# KiCad board EOutside.kicad_pcb (continued)
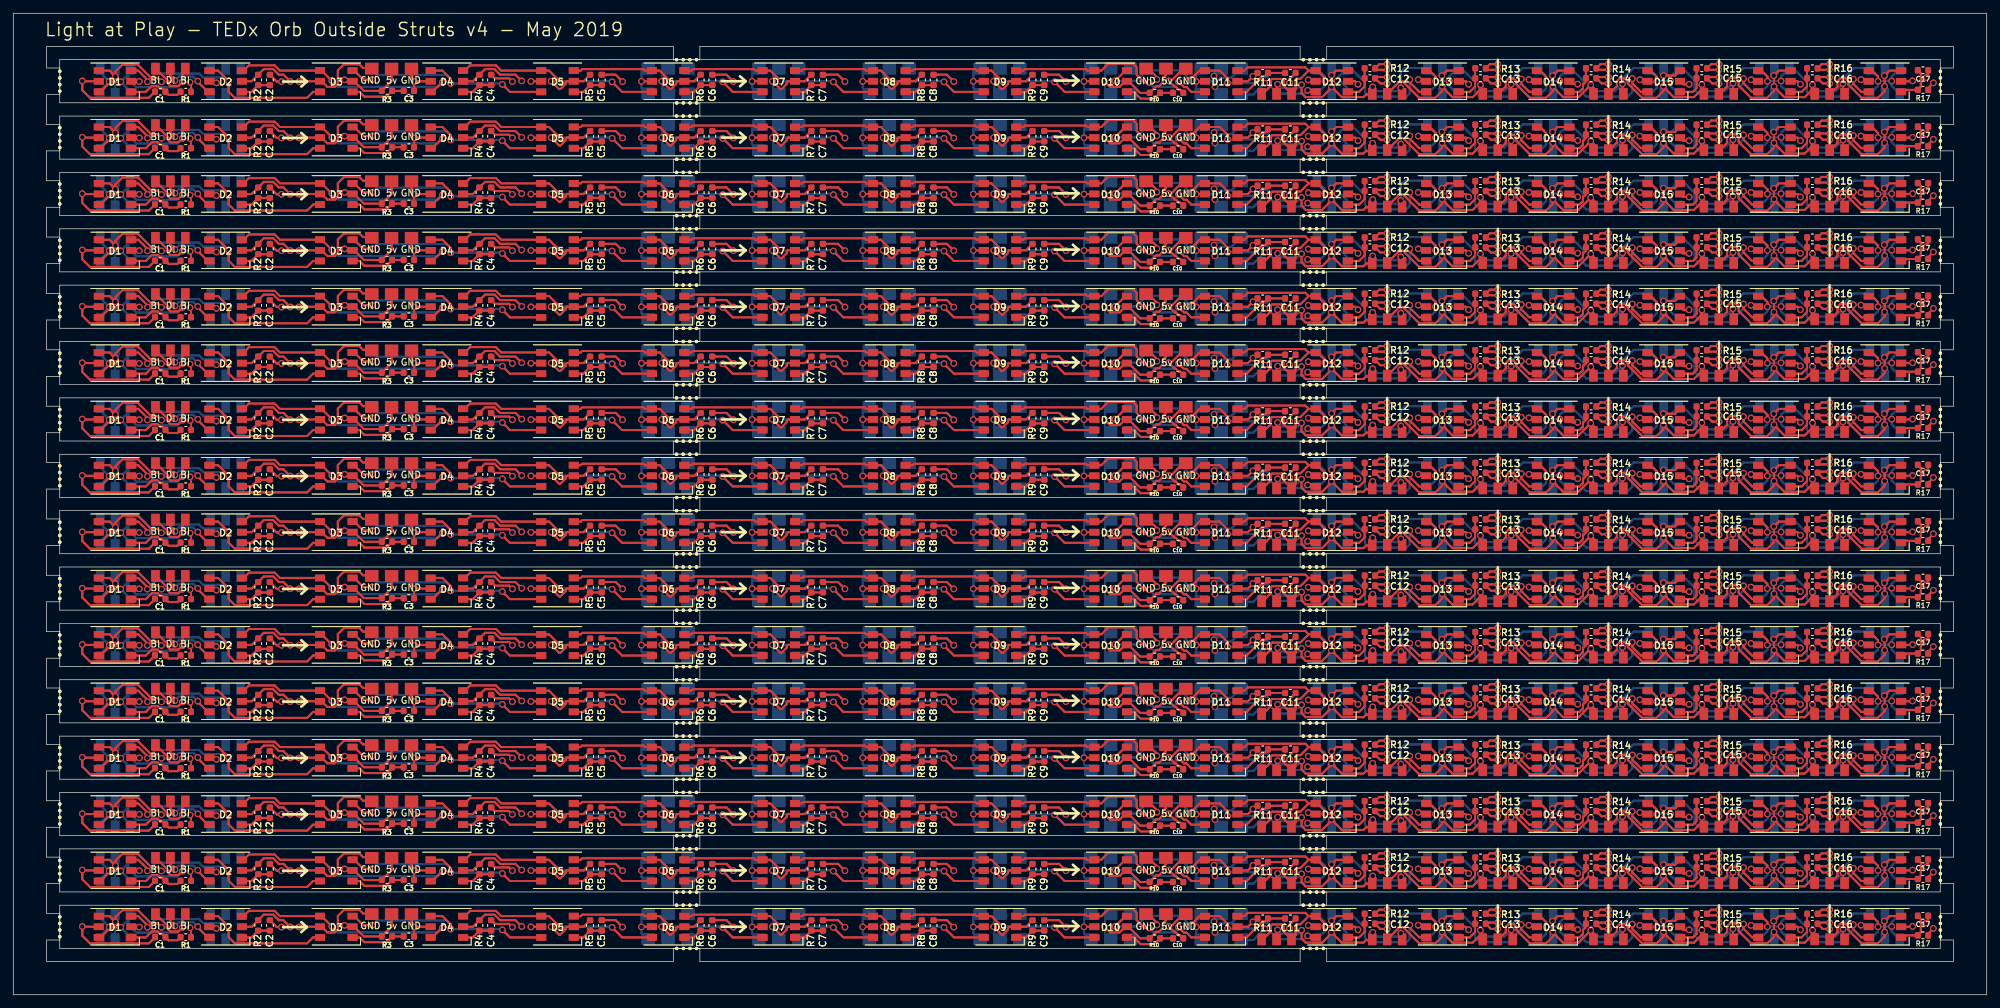
[diagram p0: board, top side]
## Placement (name value [footprint] x y rotation side) (continued)
R6#12  330  [R_0603_1608Metric]  103.57 103.95 270 top
R6#13  330  [R_0603_1608Metric]  103.57 103.95 270 top
R6#14  330  [R_0603_1608Metric]  103.57 78.45 270 top
R6#15  330  [R_0603_1608Metric]  103.57 95.45 270 top
R6#16  330  [R_0603_1608Metric]  103.57 95.45 270 top
R6#17  330  [R_0603_1608Metric]  103.57 52.95 270 top
R6#18  330  [R_0603_1608Metric]  103.57 69.95 270 top
R6#19  330  [R_0603_1608Metric]  103.57 44.45 270 top
R6#20  330  [R_0603_1608Metric]  103.57 61.45 270 top
R6#21  330  [R_0603_1608Metric]  103.57 69.95 270 top
R6#22  330  [R_0603_1608Metric]  103.57 52.95 270 top
R6#23  330  [R_0603_1608Metric]  103.57 44.45 270 top
R6#24  330  [R_0603_1608Metric]  103.57 61.45 270 top
R6#25  330  [R_0603_1608Metric]  103.57 10.45 270 top
R6#26  330  [R_0603_1608Metric]  103.57 18.95 270 top
R6#27  330  [R_0603_1608Metric]  103.57 18.95 270 top
R6#28  330  [R_0603_1608Metric]  103.57 10.45 270 top
R6#29  330  [R_0603_1608Metric]  103.57 27.45 270 top
R6#30  330  [R_0603_1608Metric]  103.57 27.45 270 top
R6#31  330  [R_0603_1608Metric]  103.57 35.95 270 top
R6#32  330  [R_0603_1608Metric]  103.57 35.95 270 top
R7  330  [R_0603_1608Metric]  120.23 137.95 270 top
R7#2  330  [R_0603_1608Metric]  120.23 129.45 270 top
R7#3  330  [R_0603_1608Metric]  120.23 120.95 270 top
R7#4  330  [R_0603_1608Metric]  120.23 112.45 270 top
R7#5  330  [R_0603_1608Metric]  120.23 120.95 270 top
R7#6  330  [R_0603_1608Metric]  120.23 112.45 270 top
R7#7  330  [R_0603_1608Metric]  120.23 137.95 270 top
R7#8  330  [R_0603_1608Metric]  120.23 129.45 270 top
R7#9  330  [R_0603_1608Metric]  120.23 86.95 270 top
R7#10  330  [R_0603_1608Metric]  120.23 78.45 270 top
R7#11  330  [R_0603_1608Metric]  120.23 86.95 270 top
R7#12  330  [R_0603_1608Metric]  120.23 103.95 270 top
R7#13  330  [R_0603_1608Metric]  120.23 78.45 270 top
R7#14  330  [R_0603_1608Metric]  120.23 103.95 270 top
R7#15  330  [R_0603_1608Metric]  120.23 95.45 270 top
R7#16  330  [R_0603_1608Metric]  120.23 95.45 270 top
R7#17  330  [R_0603_1608Metric]  120.23 52.95 270 top
R7#18  330  [R_0603_1608Metric]  120.23 69.95 270 top
R7#19  330  [R_0603_1608Metric]  120.23 44.45 270 top
R7#20  330  [R_0603_1608Metric]  120.23 44.45 270 top
R7#21  330  [R_0603_1608Metric]  120.23 61.45 270 top
R7#22  330  [R_0603_1608Metric]  120.23 69.95 270 top
R7#23  330  [R_0603_1608Metric]  120.23 52.95 270 top
R7#24  330  [R_0603_1608Metric]  120.23 61.45 270 top
R7#25  330  [R_0603_1608Metric]  120.23 10.45 270 top
R7#26  330  [R_0603_1608Metric]  120.23 10.45 270 top
R7#27  330  [R_0603_1608Metric]  120.23 18.95 270 top
R7#28  330  [R_0603_1608Metric]  120.23 18.95 270 top
R7#29  330  [R_0603_1608Metric]  120.23 27.45 270 top
R7#30  330  [R_0603_1608Metric]  120.23 35.95 270 top
R7#31  330  [R_0603_1608Metric]  120.23 35.95 270 top
R7#32  330  [R_0603_1608Metric]  120.23 27.45 270 top
R8  330  [R_0603_1608Metric]  136.9 137.95 270 top
R8#2  330  [R_0603_1608Metric]  136.9 129.45 270 top
R8#3  330  [R_0603_1608Metric]  136.9 120.95 270 top
R8#4  330  [R_0603_1608Metric]  136.9 112.45 270 top
R8#5  330  [R_0603_1608Metric]  136.9 120.95 270 top
R8#6  330  [R_0603_1608Metric]  136.9 112.45 270 top
R8#7  330  [R_0603_1608Metric]  136.9 137.95 270 top
R8#8  330  [R_0603_1608Metric]  136.9 129.45 270 top
R8#9  330  [R_0603_1608Metric]  136.9 86.95 270 top
R8#10  330  [R_0603_1608Metric]  136.9 78.45 270 top
R8#11  330  [R_0603_1608Metric]  136.9 86.95 270 top
R8#12  330  [R_0603_1608Metric]  136.9 103.95 270 top
R8#13  330  [R_0603_1608Metric]  136.9 78.45 270 top
R8#14  330  [R_0603_1608Metric]  136.9 103.95 270 top
R8#15  330  [R_0603_1608Metric]  136.9 95.45 270 top
R8#16  330  [R_0603_1608Metric]  136.9 95.45 270 top
R8#17  330  [R_0603_1608Metric]  136.9 52.95 270 top
R8#18  330  [R_0603_1608Metric]  136.9 69.95 270 top
R8#19  330  [R_0603_1608Metric]  136.9 52.95 270 top
R8#20  330  [R_0603_1608Metric]  136.9 44.45 270 top
R8#21  330  [R_0603_1608Metric]  136.9 44.45 270 top
R8#22  330  [R_0603_1608Metric]  136.9 61.45 270 top
R8#23  330  [R_0603_1608Metric]  136.9 69.95 270 top
R8#24  330  [R_0603_1608Metric]  136.9 61.45 270 top
R8#25  330  [R_0603_1608Metric]  136.9 10.45 270 top
R8#26  330  [R_0603_1608Metric]  136.9 10.45 270 top
R8#27  330  [R_0603_1608Metric]  136.9 18.95 270 top
R8#28  330  [R_0603_1608Metric]  136.9 27.45 270 top
R8#29  330  [R_0603_1608Metric]  136.9 18.95 270 top
R8#30  330  [R_0603_1608Metric]  136.9 35.95 270 top
R8#31  330  [R_0603_1608Metric]  136.9 35.95 270 top
R8#32  330  [R_0603_1608Metric]  136.9 27.45 270 top
R9  330  [R_0603_1608Metric]  153.57 137.95 270 top
R9#2  330  [R_0603_1608Metric]  153.57 129.45 270 top
R9#3  330  [R_0603_1608Metric]  153.57 112.45 270 top
R9#4  330  [R_0603_1608Metric]  153.57 120.95 270 top
R9#5  330  [R_0603_1608Metric]  153.57 112.45 270 top
R9#6  330  [R_0603_1608Metric]  153.57 120.95 270 top
R9#7  330  [R_0603_1608Metric]  153.57 129.45 270 top
R9#8  330  [R_0603_1608Metric]  153.57 137.95 270 top
R9#9  330  [R_0603_1608Metric]  153.57 78.45 270 top
R9#10  330  [R_0603_1608Metric]  153.57 86.95 270 top
R9#11  330  [R_0603_1608Metric]  153.57 78.45 270 top
R9#12  330  [R_0603_1608Metric]  153.57 86.95 270 top
R9#13  330  [R_0603_1608Metric]  153.57 95.45 270 top
R9#14  330  [R_0603_1608Metric]  153.57 103.95 270 top
R9#15  330  [R_0603_1608Metric]  153.57 95.45 270 top
R9#16  330  [R_0603_1608Metric]  153.57 103.95 270 top
R9#17  330  [R_0603_1608Metric]  153.57 44.45 270 top
R9#18  330  [R_0603_1608Metric]  153.57 44.45 270 top
R9#19  330  [R_0603_1608Metric]  153.57 52.95 270 top
R9#20  330  [R_0603_1608Metric]  153.57 61.45 270 top
R9#21  330  [R_0603_1608Metric]  153.57 69.95 270 top
R9#22  330  [R_0603_1608Metric]  153.57 61.45 270 top
R9#23  330  [R_0603_1608Metric]  153.57 69.95 270 top
R9#24  330  [R_0603_1608Metric]  153.57 52.95 270 top
R9#25  330  [R_0603_1608Metric]  153.57 27.45 270 top
R9#26  330  [R_0603_1608Metric]  153.57 10.45 270 top
R9#27  330  [R_0603_1608Metric]  153.57 18.95 270 top
R9#28  330  [R_0603_1608Metric]  153.57 18.95 270 top
R9#29  330  [R_0603_1608Metric]  153.57 27.45 270 top
R9#30  330  [R_0603_1608Metric]  153.57 35.95 270 top
R9#31  330  [R_0603_1608Metric]  153.57 35.95 270 top
R9#32  330  [R_0603_1608Metric]  153.57 10.45 270 top
R10  330  [R_0603_1608Metric]  172 136 0 top
R10#2  330  [R_0603_1608Metric]  172 127.5 0 top
R10#3  330  [R_0603_1608Metric]  172 119 0 top
R10#4  330  [R_0603_1608Metric]  172 110.5 0 top
R10#5  330  [R_0603_1608Metric]  172 136 0 top
R10#6  330  [R_0603_1608Metric]  172 110.5 0 top
R10#7  330  [R_0603_1608Metric]  172 119 0 top
R10#8  330  [R_0603_1608Metric]  172 127.5 0 top
R10#9  330  [R_0603_1608Metric]  172 102 0 top
R10#10  330  [R_0603_1608Metric]  172 76.5 0 top
R10#11  330  [R_0603_1608Metric]  172 85 0 top
R10#12  330  [R_0603_1608Metric]  172 76.5 0 top
R10#13  330  [R_0603_1608Metric]  172 102 0 top
R10#14  330  [R_0603_1608Metric]  172 93.5 0 top
R10#15  330  [R_0603_1608Metric]  172 85 0 top
R10#16  330  [R_0603_1608Metric]  172 93.5 0 top
R10#17  330  [R_0603_1608Metric]  172 68 0 top
R10#18  330  [R_0603_1608Metric]  172 42.5 0 top
R10#19  330  [R_0603_1608Metric]  172 51 0 top
R10#20  330  [R_0603_1608Metric]  172 68 0 top
R10#21  330  [R_0603_1608Metric]  172 59.5 0 top
R10#22  330  [R_0603_1608Metric]  172 59.5 0 top
R10#23  330  [R_0603_1608Metric]  172 51 0 top
R10#24  330  [R_0603_1608Metric]  172 42.5 0 top
R10#25  330  [R_0603_1608Metric]  172 25.5 0 top
R10#26  330  [R_0603_1608Metric]  172 17 0 top
R10#27  330  [R_0603_1608Metric]  172 34 0 top
R10#28  330  [R_0603_1608Metric]  172 17 0 top
R10#29  330  [R_0603_1608Metric]  172 34 0 top
R10#30  330  [R_0603_1608Metric]  172 8.5 0 top
R10#31  330  [R_0603_1608Metric]  172 25.5 0 top
R10#32  330  [R_0603_1608Metric]  172 8.5 0 top
R11  330  [R_0603_1608Metric]  188.25 139 0 top
R11#2  330  [R_0603_1608Metric]  188.25 130.5 0 top
R11#3  330  [R_0603_1608Metric]  188.25 122 0 top
R11#4  330  [R_0603_1608Metric]  188.25 113.5 0 top
R11#5  330  [R_0603_1608Metric]  188.25 139 0 top
R11#6  330  [R_0603_1608Metric]  188.25 113.5 0 top
R11#7  330  [R_0603_1608Metric]  188.25 122 0 top
R11#8  330  [R_0603_1608Metric]  188.25 130.5 0 top
R11#9  330  [R_0603_1608Metric]  188.25 105 0 top
R11#10  330  [R_0603_1608Metric]  188.25 79.5 0 top
R11#11  330  [R_0603_1608Metric]  188.25 88 0 top
R11#12  330  [R_0603_1608Metric]  188.25 79.5 0 top
R11#13  330  [R_0603_1608Metric]  188.25 105 0 top
R11#14  330  [R_0603_1608Metric]  188.25 96.5 0 top
R11#15  330  [R_0603_1608Metric]  188.25 88 0 top
R11#16  330  [R_0603_1608Metric]  188.25 96.5 0 top
R11#17  330  [R_0603_1608Metric]  188.25 71 0 top
R11#18  330  [R_0603_1608Metric]  188.25 45.5 0 top
R11#19  330  [R_0603_1608Metric]  188.25 54 0 top
R11#20  330  [R_0603_1608Metric]  188.25 71 0 top
R11#21  330  [R_0603_1608Metric]  188.25 62.5 0 top
R11#22  330  [R_0603_1608Metric]  188.25 62.5 0 top
R11#23  330  [R_0603_1608Metric]  188.25 54 0 top
R11#24  330  [R_0603_1608Metric]  188.25 45.5 0 top
R11#25  330  [R_0603_1608Metric]  188.25 20 0 top
R11#26  330  [R_0603_1608Metric]  188.25 20 0 top
R11#27  330  [R_0603_1608Metric]  188.25 37 0 top
R11#28  330  [R_0603_1608Metric]  188.25 37 0 top
R11#29  330  [R_0603_1608Metric]  188.25 11.5 0 top
R11#30  330  [R_0603_1608Metric]  188.25 28.5 0 top
R11#31  330  [R_0603_1608Metric]  188.25 11.5 0 top
R11#32  330  [R_0603_1608Metric]  188.25 28.5 0 top
R12  330  [R_0603_1608Metric]  204.4 139.7 180 top
R12#2  330  [R_0603_1608Metric]  204.4 131.2 180 top
R12#3  330  [R_0603_1608Metric]  204.4 122.7 180 top
R12#4  330  [R_0603_1608Metric]  204.4 114.2 180 top
R12#5  330  [R_0603_1608Metric]  204.4 122.7 180 top
R12#6  330  [R_0603_1608Metric]  204.4 114.2 180 top
R12#7  330  [R_0603_1608Metric]  204.4 139.7 180 top
R12#8  330  [R_0603_1608Metric]  204.4 131.2 180 top
R12#9  330  [R_0603_1608Metric]  204.4 88.7 180 top
R12#10  330  [R_0603_1608Metric]  204.4 88.7 180 top
R12#11  330  [R_0603_1608Metric]  204.4 80.2 180 top
R12#12  330  [R_0603_1608Metric]  204.4 105.7 180 top
R12#13  330  [R_0603_1608Metric]  204.4 105.7 180 top
R12#14  330  [R_0603_1608Metric]  204.4 97.2 180 top
R12#15  330  [R_0603_1608Metric]  204.4 80.2 180 top
R12#16  330  [R_0603_1608Metric]  204.4 97.2 180 top
R12#17  330  [R_0603_1608Metric]  204.4 54.7 180 top
R12#18  330  [R_0603_1608Metric]  204.4 46.2 180 top
R12#19  330  [R_0603_1608Metric]  204.4 71.7 180 top
R12#20  330  [R_0603_1608Metric]  204.4 63.2 180 top
R12#21  330  [R_0603_1608Metric]  204.4 71.7 180 top
R12#22  330  [R_0603_1608Metric]  204.4 63.2 180 top
R12#23  330  [R_0603_1608Metric]  204.4 46.2 180 top
R12#24  330  [R_0603_1608Metric]  204.4 54.7 180 top
R12#25  330  [R_0603_1608Metric]  204.4 29.2 180 top
R12#26  330  [R_0603_1608Metric]  204.4 12.2 180 top
R12#27  330  [R_0603_1608Metric]  204.4 12.2 180 top
R12#28  330  [R_0603_1608Metric]  204.4 20.7 180 top
R12#29  330  [R_0603_1608Metric]  204.4 20.7 180 top
R12#30  330  [R_0603_1608Metric]  204.4 37.7 180 top
R12#31  330  [R_0603_1608Metric]  204.4 29.2 180 top
R12#32  330  [R_0603_1608Metric]  204.4 37.7 180 top
R13  330  [R_0603_1608Metric]  221.06 139.7 180 top
R13#2  330  [R_0603_1608Metric]  221.06 131.2 180 top
R13#3  330  [R_0603_1608Metric]  221.06 122.7 180 top
R13#4  330  [R_0603_1608Metric]  221.06 114.2 180 top
R13#5  330  [R_0603_1608Metric]  221.06 114.2 180 top
R13#6  330  [R_0603_1608Metric]  221.06 122.7 180 top
R13#7  330  [R_0603_1608Metric]  221.06 139.7 180 top
R13#8  330  [R_0603_1608Metric]  221.06 131.2 180 top
R13#9  330  [R_0603_1608Metric]  221.06 80.2 180 top
R13#10  330  [R_0603_1608Metric]  221.06 88.7 180 top
R13#11  330  [R_0603_1608Metric]  221.06 80.2 180 top
R13#12  330  [R_0603_1608Metric]  221.06 88.7 180 top
R13#13  330  [R_0603_1608Metric]  221.06 105.7 180 top
R13#14  330  [R_0603_1608Metric]  221.06 105.7 180 top
R13#15  330  [R_0603_1608Metric]  221.06 97.2 180 top
R13#16  330  [R_0603_1608Metric]  221.06 97.2 180 top
R13#17  330  [R_0603_1608Metric]  221.06 46.2 180 top
R13#18  330  [R_0603_1608Metric]  221.06 54.7 180 top
R13#19  330  [R_0603_1608Metric]  221.06 46.2 180 top
R13#20  330  [R_0603_1608Metric]  221.06 71.7 180 top
R13#21  330  [R_0603_1608Metric]  221.06 63.2 180 top
R13#22  330  [R_0603_1608Metric]  221.06 71.7 180 top
R13#23  330  [R_0603_1608Metric]  221.06 63.2 180 top
R13#24  330  [R_0603_1608Metric]  221.06 54.7 180 top
R13#25  330  [R_0603_1608Metric]  221.06 29.2 180 top
R13#26  330  [R_0603_1608Metric]  221.06 12.2 180 top
R13#27  330  [R_0603_1608Metric]  221.06 20.7 180 top
R13#28  330  [R_0603_1608Metric]  221.06 12.2 180 top
R13#29  330  [R_0603_1608Metric]  221.06 37.7 180 top
R13#30  330  [R_0603_1608Metric]  221.06 20.7 180 top
R13#31  330  [R_0603_1608Metric]  221.06 29.2 180 top
R13#32  330  [R_0603_1608Metric]  221.06 37.7 180 top
R14  330  [R_0603_1608Metric]  237.73 139.7 180 top
R14#2  330  [R_0603_1608Metric]  237.73 131.2 180 top
R14#3  330  [R_0603_1608Metric]  237.73 122.7 180 top
R14#4  330  [R_0603_1608Metric]  237.73 114.2 180 top
R14#5  330  [R_0603_1608Metric]  237.73 122.7 180 top
R14#6  330  [R_0603_1608Metric]  237.73 139.7 180 top
R14#7  330  [R_0603_1608Metric]  237.73 131.2 180 top
R14#8  330  [R_0603_1608Metric]  237.73 114.2 180 top
R14#9  330  [R_0603_1608Metric]  237.73 88.7 180 top
R14#10  330  [R_0603_1608Metric]  237.73 105.7 180 top
R14#11  330  [R_0603_1608Metric]  237.73 80.2 180 top
R14#12  330  [R_0603_1608Metric]  237.73 97.2 180 top
R14#13  330  [R_0603_1608Metric]  237.73 80.2 180 top
R14#14  330  [R_0603_1608Metric]  237.73 97.2 180 top
R14#15  330  [R_0603_1608Metric]  237.73 105.7 180 top
R14#16  330  [R_0603_1608Metric]  237.73 88.7 180 top
R14#17  330  [R_0603_1608Metric]  237.73 63.2 180 top
R14#18  330  [R_0603_1608Metric]  237.73 46.2 180 top
R14#19  330  [R_0603_1608Metric]  237.73 46.2 180 top
R14#20  330  [R_0603_1608Metric]  237.73 54.7 180 top
R14#21  330  [R_0603_1608Metric]  237.73 63.2 180 top
R14#22  330  [R_0603_1608Metric]  237.73 54.7 180 top
R14#23  330  [R_0603_1608Metric]  237.73 71.7 180 top
R14#24  330  [R_0603_1608Metric]  237.73 71.7 180 top
R14#25  330  [R_0603_1608Metric]  237.73 12.2 180 top
R14#26  330  [R_0603_1608Metric]  237.73 29.2 180 top
R14#27  330  [R_0603_1608Metric]  237.73 37.7 180 top
R14#28  330  [R_0603_1608Metric]  237.73 37.7 180 top
R14#29  330  [R_0603_1608Metric]  237.73 20.7 180 top
R14#30  330  [R_0603_1608Metric]  237.73 29.2 180 top
R14#31  330  [R_0603_1608Metric]  237.73 12.2 180 top
R14#32  330  [R_0603_1608Metric]  237.73 20.7 180 top
R15  330  [R_0603_1608Metric]  254.4 139.7 180 top
R15#2  330  [R_0603_1608Metric]  254.4 131.2 180 top
R15#3  330  [R_0603_1608Metric]  254.4 122.7 180 top
R15#4  330  [R_0603_1608Metric]  254.4 114.2 180 top
R15#5  330  [R_0603_1608Metric]  254.4 114.2 180 top
R15#6  330  [R_0603_1608Metric]  254.4 122.7 180 top
R15#7  330  [R_0603_1608Metric]  254.4 139.7 180 top
R15#8  330  [R_0603_1608Metric]  254.4 131.2 180 top
R15#9  330  [R_0603_1608Metric]  254.4 80.2 180 top
R15#10  330  [R_0603_1608Metric]  254.4 88.7 180 top
R15#11  330  [R_0603_1608Metric]  254.4 105.7 180 top
R15#12  330  [R_0603_1608Metric]  254.4 88.7 180 top
R15#13  330  [R_0603_1608Metric]  254.4 80.2 180 top
R15#14  330  [R_0603_1608Metric]  254.4 105.7 180 top
R15#15  330  [R_0603_1608Metric]  254.4 97.2 180 top
R15#16  330  [R_0603_1608Metric]  254.4 97.2 180 top
R15#17  330  [R_0603_1608Metric]  254.4 54.7 180 top
R15#18  330  [R_0603_1608Metric]  254.4 46.2 180 top
R15#19  330  [R_0603_1608Metric]  254.4 71.7 180 top
R15#20  330  [R_0603_1608Metric]  254.4 46.2 180 top
R15#21  330  [R_0603_1608Metric]  254.4 54.7 180 top
R15#22  330  [R_0603_1608Metric]  254.4 63.2 180 top
R15#23  330  [R_0603_1608Metric]  254.4 63.2 180 top
R15#24  330  [R_0603_1608Metric]  254.4 71.7 180 top
R15#25  330  [R_0603_1608Metric]  254.4 29.2 180 top
R15#26  330  [R_0603_1608Metric]  254.4 20.7 180 top
R15#27  330  [R_0603_1608Metric]  254.4 20.7 180 top
R15#28  330  [R_0603_1608Metric]  254.4 12.2 180 top
R15#29  330  [R_0603_1608Metric]  254.4 37.7 180 top
R15#30  330  [R_0603_1608Metric]  254.4 29.2 180 top
R15#31  330  [R_0603_1608Metric]  254.4 37.7 180 top
R15#32  330  [R_0603_1608Metric]  254.4 12.2 180 top
R16  330  [R_0603_1608Metric]  271.06 139.7 180 top
R16#2  330  [R_0603_1608Metric]  271.06 131.2 180 top
R16#3  330  [R_0603_1608Metric]  271.06 122.7 180 top
R16#4  330  [R_0603_1608Metric]  271.06 114.2 180 top
R16#5  330  [R_0603_1608Metric]  271.06 122.7 180 top
R16#6  330  [R_0603_1608Metric]  271.06 114.2 180 top
R16#7  330  [R_0603_1608Metric]  271.06 139.7 180 top
R16#8  330  [R_0603_1608Metric]  271.06 131.2 180 top
R16#9  330  [R_0603_1608Metric]  271.06 88.7 180 top
R16#10  330  [R_0603_1608Metric]  271.06 80.2 180 top
R16#11  330  [R_0603_1608Metric]  271.06 105.7 180 top
R16#12  330  [R_0603_1608Metric]  271.06 80.2 180 top
R16#13  330  [R_0603_1608Metric]  271.06 105.7 180 top
R16#14  330  [R_0603_1608Metric]  271.06 97.2 180 top
R16#15  330  [R_0603_1608Metric]  271.06 97.2 180 top
R16#16  330  [R_0603_1608Metric]  271.06 88.7 180 top
R16#17  330  [R_0603_1608Metric]  271.06 54.7 180 top
R16#18  330  [R_0603_1608Metric]  271.06 46.2 180 top
R16#19  330  [R_0603_1608Metric]  271.06 46.2 180 top
R16#20  330  [R_0603_1608Metric]  271.06 54.7 180 top
R16#21  330  [R_0603_1608Metric]  271.06 63.2 180 top
R16#22  330  [R_0603_1608Metric]  271.06 71.7 180 top
R16#23  330  [R_0603_1608Metric]  271.06 71.7 180 top
R16#24  330  [R_0603_1608Metric]  271.06 63.2 180 top
R16#25  330  [R_0603_1608Metric]  271.06 20.7 180 top
R16#26  330  [R_0603_1608Metric]  271.06 12.2 180 top
R16#27  330  [R_0603_1608Metric]  271.06 12.2 180 top
R16#28  330  [R_0603_1608Metric]  271.06 37.7 180 top
R16#29  330  [R_0603_1608Metric]  271.06 37.7 180 top
R16#30  330  [R_0603_1608Metric]  271.06 29.2 180 top
R16#31  330  [R_0603_1608Metric]  271.06 20.7 180 top
R16#32  330  [R_0603_1608Metric]  271.06 29.2 180 top
R17  330  [R_0603_1608Metric]  287.73 136.45 180 top
R17#2  330  [R_0603_1608Metric]  287.73 127.95 180 top
R17#3  330  [R_0603_1608Metric]  287.73 119.45 180 top
R17#4  330  [R_0603_1608Metric]  287.73 110.95 180 top
R17#5  330  [R_0603_1608Metric]  287.73 119.45 180 top
R17#6  330  [R_0603_1608Metric]  287.73 110.95 180 top
R17#7  330  [R_0603_1608Metric]  287.73 136.45 180 top
R17#8  330  [R_0603_1608Metric]  287.73 127.95 180 top
R17#9  330  [R_0603_1608Metric]  287.73 85.45 180 top
R17#10  330  [R_0603_1608Metric]  287.73 76.95 180 top
R17#11  330  [R_0603_1608Metric]  287.73 102.45 180 top
R17#12  330  [R_0603_1608Metric]  287.73 76.95 180 top
R17#13  330  [R_0603_1608Metric]  287.73 93.95 180 top
R17#14  330  [R_0603_1608Metric]  287.73 93.95 180 top
R17#15  330  [R_0603_1608Metric]  287.73 85.45 180 top
R17#16  330  [R_0603_1608Metric]  287.73 102.45 180 top
R17#17  330  [R_0603_1608Metric]  287.73 59.95 180 top
R17#18  330  [R_0603_1608Metric]  287.73 59.95 180 top
R17#19  330  [R_0603_1608Metric]  287.73 42.95 180 top
R17#20  330  [R_0603_1608Metric]  287.73 51.45 180 top
R17#21  330  [R_0603_1608Metric]  287.73 51.45 180 top
R17#22  330  [R_0603_1608Metric]  287.73 68.45 180 top
R17#23  330  [R_0603_1608Metric]  287.73 42.95 180 top